# Altium PCB PCB3.PcbDoc (part 8 of 9) (continued)
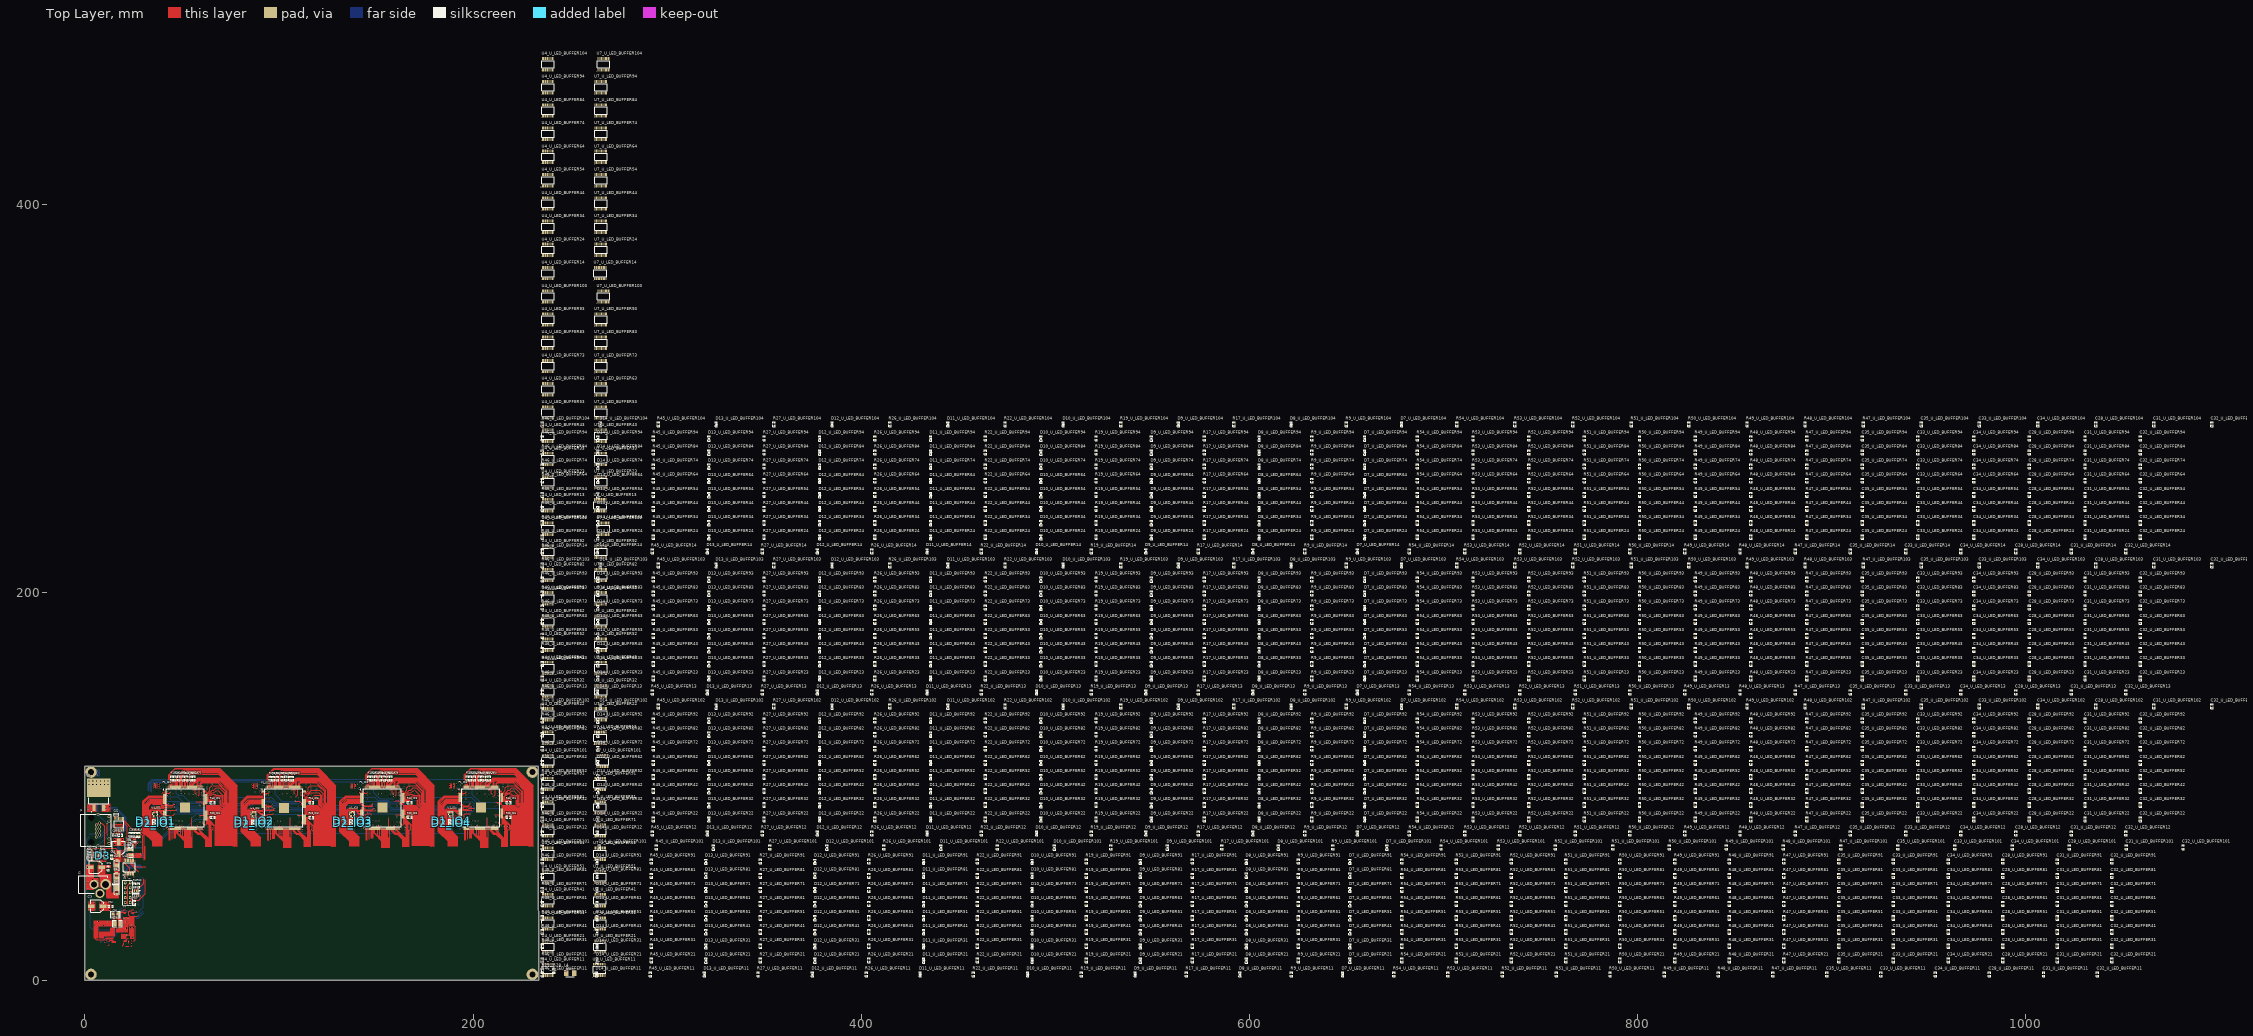
[diagram p0: Top Layer view]
## Nets (pads, with @x,y where several pads share a name; then routed paths per layer and width w, separated by ;. In a path a pad name is that pad's centre, name@x,y a point inside that pad or via, vN(x,y) a via of type N, cw(c..) or ccw(c..) an arc to the next point about the centre after c; other vN are vias at no path point) (continued)
NetU4_U_LED_BUFFER64_13: U4_U_LED_BUFFER64.13 U7_U_LED_BUFFER64.8
NetU4_U_LED_BUFFER64_14: U4_U_LED_BUFFER64.14 U7_U_LED_BUFFER64.7
NetU4_U_LED_BUFFER64_15: U4_U_LED_BUFFER64.15 U7_U_LED_BUFFER64.6
NetU4_U_LED_BUFFER64_16: U4_U_LED_BUFFER64.16 U7_U_LED_BUFFER64.5
NetU4_U_LED_BUFFER64_17: U4_U_LED_BUFFER64.17 U7_U_LED_BUFFER64.4
NetU4_U_LED_BUFFER64_18: U4_U_LED_BUFFER64.18 U7_U_LED_BUFFER64.3
NetU4_U_LED_BUFFER64_20: U4_U_LED_BUFFER64.20 U7_U_LED_BUFFER64.2
NetU4_U_LED_BUFFER71_12: U4_U_LED_BUFFER71.12 U7_U_LED_BUFFER71.9
NetU4_U_LED_BUFFER71_13: U4_U_LED_BUFFER71.13 U7_U_LED_BUFFER71.8
NetU4_U_LED_BUFFER71_14: U4_U_LED_BUFFER71.14 U7_U_LED_BUFFER71.7
NetU4_U_LED_BUFFER71_15: U4_U_LED_BUFFER71.15 U7_U_LED_BUFFER71.6
NetU4_U_LED_BUFFER71_16: U4_U_LED_BUFFER71.16 U7_U_LED_BUFFER71.5
NetU4_U_LED_BUFFER71_17: U4_U_LED_BUFFER71.17 U7_U_LED_BUFFER71.4
NetU4_U_LED_BUFFER71_18: U4_U_LED_BUFFER71.18 U7_U_LED_BUFFER71.3
NetU4_U_LED_BUFFER71_20: U4_U_LED_BUFFER71.20 U7_U_LED_BUFFER71.2
NetU4_U_LED_BUFFER72_12: U4_U_LED_BUFFER72.12 U7_U_LED_BUFFER72.9
NetU4_U_LED_BUFFER72_13: U4_U_LED_BUFFER72.13 U7_U_LED_BUFFER72.8
NetU4_U_LED_BUFFER72_14: U4_U_LED_BUFFER72.14 U7_U_LED_BUFFER72.7
NetU4_U_LED_BUFFER72_15: U4_U_LED_BUFFER72.15 U7_U_LED_BUFFER72.6
NetU4_U_LED_BUFFER72_16: U4_U_LED_BUFFER72.16 U7_U_LED_BUFFER72.5
NetU4_U_LED_BUFFER72_17: U4_U_LED_BUFFER72.17 U7_U_LED_BUFFER72.4
NetU4_U_LED_BUFFER72_18: U4_U_LED_BUFFER72.18 U7_U_LED_BUFFER72.3
NetU4_U_LED_BUFFER72_20: U4_U_LED_BUFFER72.20 U7_U_LED_BUFFER72.2
NetU4_U_LED_BUFFER73_12: U4_U_LED_BUFFER73.12 U7_U_LED_BUFFER73.9
NetU4_U_LED_BUFFER73_13: U4_U_LED_BUFFER73.13 U7_U_LED_BUFFER73.8
NetU4_U_LED_BUFFER73_14: U4_U_LED_BUFFER73.14 U7_U_LED_BUFFER73.7
NetU4_U_LED_BUFFER73_15: U4_U_LED_BUFFER73.15 U7_U_LED_BUFFER73.6
NetU4_U_LED_BUFFER73_16: U4_U_LED_BUFFER73.16 U7_U_LED_BUFFER73.5
NetU4_U_LED_BUFFER73_17: U4_U_LED_BUFFER73.17 U7_U_LED_BUFFER73.4
NetU4_U_LED_BUFFER73_18: U4_U_LED_BUFFER73.18 U7_U_LED_BUFFER73.3
NetU4_U_LED_BUFFER73_20: U4_U_LED_BUFFER73.20 U7_U_LED_BUFFER73.2
NetU4_U_LED_BUFFER74_12: U4_U_LED_BUFFER74.12 U7_U_LED_BUFFER74.9
NetU4_U_LED_BUFFER74_13: U4_U_LED_BUFFER74.13 U7_U_LED_BUFFER74.8
NetU4_U_LED_BUFFER74_14: U4_U_LED_BUFFER74.14 U7_U_LED_BUFFER74.7
NetU4_U_LED_BUFFER74_15: U4_U_LED_BUFFER74.15 U7_U_LED_BUFFER74.6
NetU4_U_LED_BUFFER74_16: U4_U_LED_BUFFER74.16 U7_U_LED_BUFFER74.5
NetU4_U_LED_BUFFER74_17: U4_U_LED_BUFFER74.17 U7_U_LED_BUFFER74.4
NetU4_U_LED_BUFFER74_18: U4_U_LED_BUFFER74.18 U7_U_LED_BUFFER74.3
NetU4_U_LED_BUFFER74_20: U4_U_LED_BUFFER74.20 U7_U_LED_BUFFER74.2
NetU4_U_LED_BUFFER81_12: U4_U_LED_BUFFER81.12 U7_U_LED_BUFFER81.9
NetU4_U_LED_BUFFER81_13: U4_U_LED_BUFFER81.13 U7_U_LED_BUFFER81.8
NetU4_U_LED_BUFFER81_14: U4_U_LED_BUFFER81.14 U7_U_LED_BUFFER81.7
NetU4_U_LED_BUFFER81_15: U4_U_LED_BUFFER81.15 U7_U_LED_BUFFER81.6
NetU4_U_LED_BUFFER81_16: U4_U_LED_BUFFER81.16 U7_U_LED_BUFFER81.5
NetU4_U_LED_BUFFER81_17: U4_U_LED_BUFFER81.17 U7_U_LED_BUFFER81.4
NetU4_U_LED_BUFFER81_18: U4_U_LED_BUFFER81.18 U7_U_LED_BUFFER81.3
NetU4_U_LED_BUFFER81_20: U4_U_LED_BUFFER81.20 U7_U_LED_BUFFER81.2
NetU4_U_LED_BUFFER82_12: U4_U_LED_BUFFER82.12 U7_U_LED_BUFFER82.9
NetU4_U_LED_BUFFER82_13: U4_U_LED_BUFFER82.13 U7_U_LED_BUFFER82.8
NetU4_U_LED_BUFFER82_14: U4_U_LED_BUFFER82.14 U7_U_LED_BUFFER82.7
NetU4_U_LED_BUFFER82_15: U4_U_LED_BUFFER82.15 U7_U_LED_BUFFER82.6
NetU4_U_LED_BUFFER82_16: U4_U_LED_BUFFER82.16 U7_U_LED_BUFFER82.5
NetU4_U_LED_BUFFER82_17: U4_U_LED_BUFFER82.17 U7_U_LED_BUFFER82.4
NetU4_U_LED_BUFFER82_18: U4_U_LED_BUFFER82.18 U7_U_LED_BUFFER82.3
NetU4_U_LED_BUFFER82_20: U4_U_LED_BUFFER82.20 U7_U_LED_BUFFER82.2
NetU4_U_LED_BUFFER83_12: U4_U_LED_BUFFER83.12 U7_U_LED_BUFFER83.9
NetU4_U_LED_BUFFER83_13: U4_U_LED_BUFFER83.13 U7_U_LED_BUFFER83.8
NetU4_U_LED_BUFFER83_14: U4_U_LED_BUFFER83.14 U7_U_LED_BUFFER83.7
NetU4_U_LED_BUFFER83_15: U4_U_LED_BUFFER83.15 U7_U_LED_BUFFER83.6
NetU4_U_LED_BUFFER83_16: U4_U_LED_BUFFER83.16 U7_U_LED_BUFFER83.5
NetU4_U_LED_BUFFER83_17: U4_U_LED_BUFFER83.17 U7_U_LED_BUFFER83.4
NetU4_U_LED_BUFFER83_18: U4_U_LED_BUFFER83.18 U7_U_LED_BUFFER83.3
NetU4_U_LED_BUFFER83_20: U4_U_LED_BUFFER83.20 U7_U_LED_BUFFER83.2
NetU4_U_LED_BUFFER84_12: U4_U_LED_BUFFER84.12 U7_U_LED_BUFFER84.9
NetU4_U_LED_BUFFER84_13: U4_U_LED_BUFFER84.13 U7_U_LED_BUFFER84.8
NetU4_U_LED_BUFFER84_14: U4_U_LED_BUFFER84.14 U7_U_LED_BUFFER84.7
NetU4_U_LED_BUFFER84_15: U4_U_LED_BUFFER84.15 U7_U_LED_BUFFER84.6
NetU4_U_LED_BUFFER84_16: U4_U_LED_BUFFER84.16 U7_U_LED_BUFFER84.5
NetU4_U_LED_BUFFER84_17: U4_U_LED_BUFFER84.17 U7_U_LED_BUFFER84.4
NetU4_U_LED_BUFFER84_18: U4_U_LED_BUFFER84.18 U7_U_LED_BUFFER84.3
NetU4_U_LED_BUFFER84_20: U4_U_LED_BUFFER84.20 U7_U_LED_BUFFER84.2
NetU4_U_LED_BUFFER91_12: U4_U_LED_BUFFER91.12 U7_U_LED_BUFFER91.9
NetU4_U_LED_BUFFER91_13: U4_U_LED_BUFFER91.13 U7_U_LED_BUFFER91.8
NetU4_U_LED_BUFFER91_14: U4_U_LED_BUFFER91.14 U7_U_LED_BUFFER91.7
NetU4_U_LED_BUFFER91_15: U4_U_LED_BUFFER91.15 U7_U_LED_BUFFER91.6
NetU4_U_LED_BUFFER91_16: U4_U_LED_BUFFER91.16 U7_U_LED_BUFFER91.5
NetU4_U_LED_BUFFER91_17: U4_U_LED_BUFFER91.17 U7_U_LED_BUFFER91.4
NetU4_U_LED_BUFFER91_18: U4_U_LED_BUFFER91.18 U7_U_LED_BUFFER91.3
NetU4_U_LED_BUFFER91_20: U4_U_LED_BUFFER91.20 U7_U_LED_BUFFER91.2
NetU4_U_LED_BUFFER92_12: U4_U_LED_BUFFER92.12 U7_U_LED_BUFFER92.9
NetU4_U_LED_BUFFER92_13: U4_U_LED_BUFFER92.13 U7_U_LED_BUFFER92.8
NetU4_U_LED_BUFFER92_14: U4_U_LED_BUFFER92.14 U7_U_LED_BUFFER92.7
NetU4_U_LED_BUFFER92_15: U4_U_LED_BUFFER92.15 U7_U_LED_BUFFER92.6
NetU4_U_LED_BUFFER92_16: U4_U_LED_BUFFER92.16 U7_U_LED_BUFFER92.5
NetU4_U_LED_BUFFER92_17: U4_U_LED_BUFFER92.17 U7_U_LED_BUFFER92.4
NetU4_U_LED_BUFFER92_18: U4_U_LED_BUFFER92.18 U7_U_LED_BUFFER92.3
NetU4_U_LED_BUFFER92_20: U4_U_LED_BUFFER92.20 U7_U_LED_BUFFER92.2
NetU4_U_LED_BUFFER93_12: U4_U_LED_BUFFER93.12 U7_U_LED_BUFFER93.9
NetU4_U_LED_BUFFER93_13: U4_U_LED_BUFFER93.13 U7_U_LED_BUFFER93.8
NetU4_U_LED_BUFFER93_14: U4_U_LED_BUFFER93.14 U7_U_LED_BUFFER93.7
NetU4_U_LED_BUFFER93_15: U4_U_LED_BUFFER93.15 U7_U_LED_BUFFER93.6
NetU4_U_LED_BUFFER93_16: U4_U_LED_BUFFER93.16 U7_U_LED_BUFFER93.5
NetU4_U_LED_BUFFER93_17: U4_U_LED_BUFFER93.17 U7_U_LED_BUFFER93.4
NetU4_U_LED_BUFFER93_18: U4_U_LED_BUFFER93.18 U7_U_LED_BUFFER93.3
NetU4_U_LED_BUFFER93_20: U4_U_LED_BUFFER93.20 U7_U_LED_BUFFER93.2
NetU4_U_LED_BUFFER94_12: U4_U_LED_BUFFER94.12 U7_U_LED_BUFFER94.9
NetU4_U_LED_BUFFER94_13: U4_U_LED_BUFFER94.13 U7_U_LED_BUFFER94.8
NetU4_U_LED_BUFFER94_14: U4_U_LED_BUFFER94.14 U7_U_LED_BUFFER94.7
NetU4_U_LED_BUFFER94_15: U4_U_LED_BUFFER94.15 U7_U_LED_BUFFER94.6
NetU4_U_LED_BUFFER94_16: U4_U_LED_BUFFER94.16 U7_U_LED_BUFFER94.5
NetU4_U_LED_BUFFER94_17: U4_U_LED_BUFFER94.17 U7_U_LED_BUFFER94.4
NetU4_U_LED_BUFFER94_18: U4_U_LED_BUFFER94.18 U7_U_LED_BUFFER94.3
NetU4_U_LED_BUFFER94_20: U4_U_LED_BUFFER94.20 U7_U_LED_BUFFER94.2
NetU4_U_LED_BUFFER101_12: U4_U_LED_BUFFER101.12 U7_U_LED_BUFFER101.9
NetU4_U_LED_BUFFER101_13: U4_U_LED_BUFFER101.13 U7_U_LED_BUFFER101.8
NetU4_U_LED_BUFFER101_14: U4_U_LED_BUFFER101.14 U7_U_LED_BUFFER101.7
NetU4_U_LED_BUFFER101_15: U4_U_LED_BUFFER101.15 U7_U_LED_BUFFER101.6
NetU4_U_LED_BUFFER101_16: U4_U_LED_BUFFER101.16 U7_U_LED_BUFFER101.5
NetU4_U_LED_BUFFER101_17: U4_U_LED_BUFFER101.17 U7_U_LED_BUFFER101.4
NetU4_U_LED_BUFFER101_18: U4_U_LED_BUFFER101.18 U7_U_LED_BUFFER101.3
NetU4_U_LED_BUFFER101_20: U4_U_LED_BUFFER101.20 U7_U_LED_BUFFER101.2
NetU4_U_LED_BUFFER102_12: U4_U_LED_BUFFER102.12 U7_U_LED_BUFFER102.9
NetU4_U_LED_BUFFER102_13: U4_U_LED_BUFFER102.13 U7_U_LED_BUFFER102.8
NetU4_U_LED_BUFFER102_14: U4_U_LED_BUFFER102.14 U7_U_LED_BUFFER102.7
NetU4_U_LED_BUFFER102_15: U4_U_LED_BUFFER102.15 U7_U_LED_BUFFER102.6
NetU4_U_LED_BUFFER102_16: U4_U_LED_BUFFER102.16 U7_U_LED_BUFFER102.5
NetU4_U_LED_BUFFER102_17: U4_U_LED_BUFFER102.17 U7_U_LED_BUFFER102.4
NetU4_U_LED_BUFFER102_18: U4_U_LED_BUFFER102.18 U7_U_LED_BUFFER102.3
NetU4_U_LED_BUFFER102_20: U4_U_LED_BUFFER102.20 U7_U_LED_BUFFER102.2
NetU4_U_LED_BUFFER103_12: U4_U_LED_BUFFER103.12 U7_U_LED_BUFFER103.9
NetU4_U_LED_BUFFER103_13: U4_U_LED_BUFFER103.13 U7_U_LED_BUFFER103.8
NetU4_U_LED_BUFFER103_14: U4_U_LED_BUFFER103.14 U7_U_LED_BUFFER103.7
NetU4_U_LED_BUFFER103_15: U4_U_LED_BUFFER103.15 U7_U_LED_BUFFER103.6
NetU4_U_LED_BUFFER103_16: U4_U_LED_BUFFER103.16 U7_U_LED_BUFFER103.5
NetU4_U_LED_BUFFER103_17: U4_U_LED_BUFFER103.17 U7_U_LED_BUFFER103.4
NetU4_U_LED_BUFFER103_18: U4_U_LED_BUFFER103.18 U7_U_LED_BUFFER103.3
NetU4_U_LED_BUFFER103_20: U4_U_LED_BUFFER103.20 U7_U_LED_BUFFER103.2
NetU4_U_LED_BUFFER104_12: U4_U_LED_BUFFER104.12 U7_U_LED_BUFFER104.9
NetU4_U_LED_BUFFER104_13: U4_U_LED_BUFFER104.13 U7_U_LED_BUFFER104.8
NetU4_U_LED_BUFFER104_14: U4_U_LED_BUFFER104.14 U7_U_LED_BUFFER104.7
NetU4_U_LED_BUFFER104_15: U4_U_LED_BUFFER104.15 U7_U_LED_BUFFER104.6
NetU4_U_LED_BUFFER104_16: U4_U_LED_BUFFER104.16 U7_U_LED_BUFFER104.5
NetU4_U_LED_BUFFER104_17: U4_U_LED_BUFFER104.17 U7_U_LED_BUFFER104.4
NetU4_U_LED_BUFFER104_18: U4_U_LED_BUFFER104.18 U7_U_LED_BUFFER104.3
NetU4_U_LED_BUFFER104_20: U4_U_LED_BUFFER104.20 U7_U_LED_BUFFER104.2
PWR_CNTRL: C78.2 C79.1 D4.2 J1.7 J1.8 R41.1 R42.2 U5.2 | length 52.7
  Top Layer w0.381: U5.2@5.638,65.231 5.638,68.025
  Top Layer w0.635: R41.1@1.824,65.567 R42.2@1.824,66.978 1.824,67.806 2.043,68.025 5.638,68.025 15.788,68.025 ; J1.7@5.808,80.072 6.829,81.092 J1.8@7.588,81.092 8.714,81.092 10.289,79.518 10.289,68.165 ; 10.289,68.106 15.706,68.106 15.788,68.025 ; C78.2@13.935,62.867 C78.2@13.999,62.931 ; C78.2@13.999,62.894 15.717,62.894 16.494,63.67 ; D4.2@16.494,61.859 16.494,63.67 ; 16.494,65.132 16.494,63.67 ; 15.788,68.025 16.953,66.859 16.953,64.13 16.494,63.67
PWR_LOCAL: C75.2 C76.1 D6.2 J2.1 R35.1 R36.2 U5.7 | length 19.4
  Top Layer w0.254: J2.1@10.693,47.173 J2.1@10.693,49.537 ; 13.644,44.416 D6.2@16.39,44.416
  Top Layer w0.381: R35.1@1.824,64.157 R36.2@1.824,62.746 1.888,62.682 1.888,61.953 2.154,61.687 4.75,61.687 5.6,62.537 ; U5.7@5.629,64.221 5.636,64.213 5.636,62.573 5.6,62.537 ; C76.1@7.266,58.757 8.831,57.192 ; C76.1@7.398,59.328 7.398,60.738 5.6,62.537
RS232_RX: J1.2 U2.8 | length 17
  Top Layer w0.254: v1(14.909,80.501) 18.87,80.501 19.786,79.585 19.786,78.302 19.809,78.28 19.809,77.641 U2.8@19.907,77.543
  Bottom Layer w0.254: J1.2@7.588,74.972 8.056,74.972 13.586,80.501 v1(14.909,80.501)
RS232_TX: J1.1 U2.7 | length 18.2
  Top Layer w0.254: v1(14.272,79.668) 19.092,79.668 19.257,79.504 U2.7@19.257,77.543
  Bottom Layer w0.254: J1.1@5.808,73.952 6.23,73.531 8.134,73.531 v1(14.272,79.668)
SCL: P1_IO1.97 R14_IO1.1 | length 39.9
  Top Layer w0.254: P1_IO1.97@62.42,92.269 64.726,92.269 v1(64.954,92.041) R14_IO1.1@65.183,91.812
  Bottom Layer w0.178: 33.641,91.069 33.641,92.535 33.941,92.835 36.613,92.835 39.006,90.441 44.967,90.441 46.157,91.63 47.538,91.63 50.226,88.942 62.189,88.942 64.895,91.648 64.895,91.981 v1(64.954,92.041)
SCL_IO2: P1_IO2.97 R14_IO2.1 | length 3
  Top Layer w0.254: P1_IO2.97@113.248,92.203 115.554,92.203 v1(115.782,91.975) R14_IO2.1@116.011,91.746
SCL_IO3: P1_IO3.97 R14_IO3.1 | length 3
  Top Layer w0.254: P1_IO3.97@163.969,92.291 166.275,92.291 v1(166.504,92.062) R14_IO3.1@166.732,91.834
SCL_IO4: P1_IO4.97 R14_IO4.1 | length 3
  Top Layer w0.254: P1_IO4.97@214.845,92.295 217.151,92.295 R14_IO4.1@217.608,91.837
  other v1: 217.38,92.066
SDA: P1_IO1.80 R20_IO1.1 | length 37.3
  Top Layer w0.254: P1_IO1.80@62.42,83.769 65.05,83.769 R20_IO1.1@65.163,83.882
  Bottom Layer w0.178: 36.137,70.191 43.054,77.108 50.832,77.108 54.896,81.172 56.857,83.133 63.692,83.133 64.797,84.238 v1(64.807,84.238)
SDA_IO2: P1_IO2.80 R20_IO2.1 | length 5.2
  Top Layer w0.254: R20_IO2.1@115.991,83.816 115.878,83.703 R20_IO2.1@115.61,83.703 ; R20_IO2.1@115.61,83.703 P1_IO2.80@113.248,83.703 R20_IO2.1@115.61,83.703
SDA_IO3: P1_IO3.80 R20_IO3.1 | length 5.2
  Top Layer w0.254: R20_IO3.1@166.712,83.904 166.599,83.791 R20_IO3.1@166.331,83.791 ; R20_IO3.1@166.331,83.791 P1_IO3.80@163.969,83.791 R20_IO3.1@166.331,83.791
SDA_IO4: P1_IO4.80 R20_IO4.1 | length 5.2
  Top Layer w0.254: R20_IO4.1@217.588,83.908 217.475,83.795 R20_IO4.1@217.207,83.795 ; R20_IO4.1@217.207,83.795 P1_IO4.80@214.845,83.795 R20_IO4.1@217.207,83.795
SHIELD: J1.MH1 J1.MH2 | length 20.3
  Top Layer w0.381: v1(11.462,75.076) v1(11.463,81.058)
  Bottom Layer w0.381: J1.MH2@6.698,69.392 11.462,74.155 v1(11.462,75.076) ; J1.MH1@6.698,85.652 6.728,85.652 11.322,81.058 v1(11.463,81.058)
TCK: C36.2 P1_IO1.18 P1_IO2.18 P1_IO3.18 P1_IO4.18 P3.1 R12.2 U8.1 | length 206.1
  Top Layer w0.178: P3.1@23.339,40.138 23.339,41.09 24.67,42.421 24.67,44.342 25.178,44.85 27.21,44.85 27.474,45.114 U8.1@27.474,46.153 27.474,47.518 27.649,47.692 v1(27.649,47.809) ; R12.2@27.632,48.266 28.594,48.266 30.435,50.107 30.435,52.195 ; 36.608,89.808 38.703,89.808 39.242,89.269 P1_IO1.18@40.944,89.269 42.064,89.269 42.349,89.554 v1(46.006,89.554) ; P1_IO2.18@91.772,89.203 93.01,89.203 93.409,89.602 96.25,89.602 v1(96.552,89.3) ; P1_IO3.18@142.493,89.291 143.732,89.291 144.13,89.689 148.186,89.689 148.559,90.062 v1(148.622,90.062) ; P1_IO4.18@193.369,89.295 194.608,89.295 194.83,89.516 199.356,89.516 199.647,89.808 v1(199.676,89.808)
  Bottom Layer w0.178: v1(46.006,89.554) 46.069,89.491 46.577,89.491 48.546,87.522 54.998,87.522 55.275,87.799 65.841,87.799 66.657,88.615 92.157,88.615 92.742,88.03 95.79,88.03 96.872,89.112 96.872,89.554 97.314,89.554 103.918,89.554 105.121,88.351 137.629,88.351 139.98,85.999 145.829,85.999 148.064,88.234 148.064,89.504 v1(148.622,90.062) 155.8,90.062 157.587,88.275 191.811,88.275 192.529,87.557 197.45,87.557 199.676,89.783 v1(199.676,89.808)
TDI: C39.2 P1_IO1.19 P3.9 R10.2 U8.4 | length 40.1
  Top Layer w0.178: P3.9@23.339,50.298 22.13,49.089 22.13,39.082 22.549,38.663 24.094,38.663 24.624,39.193 24.624,39.943 25.248,40.568 25.32,40.568 R10.2@25.612,40.86 ; U8.4@25.574,43.653 25.574,41.523 25.686,41.411 v1(25.686,41.294) ; v1@25.686,41.328 27.778,41.328 31.02,44.57 31.02,51.883 ; 34.135,89.288 38.513,89.288 39.019,88.782 40.932,88.782 P1_IO1.19@40.944,88.769
TDI_IO2: P1_IO1.20 P1_IO2.19 | length 64.8
  Top Layer w0.178: P1_IO1.20@40.944,88.269 41.71,88.269 42.257,87.722 46.968,87.722 v1(47.022,87.776) ; P1_IO2.19@91.772,88.703 91.795,88.68 92.564,88.68 93.148,88.096 97.085,88.096 v1@97.692,88.703
  Bottom Layer w0.178: v1(47.022,87.776) 47.784,87.014 55.474,87.014 55.761,87.302 85.368,87.302 85.553,87.486 94.874,87.486 95.059,87.302 96.332,87.302 v1(97.822,88.792)
TDI_IO3: P1_IO2.20 P1_IO3.19 | length 67.6
  Top Layer w0.178: P1_IO2.20@91.772,88.203 92.538,88.203 93.085,87.656 v1(97.899,87.656) ; P1_IO3.19@142.493,88.791 142.516,88.768 143.671,88.768 144.382,88.057 148.141,88.057 v1(149.13,89.046)
  Bottom Layer w0.178: v1(97.899,87.656) 97.981,87.574 137.353,87.574 139.381,85.546 146.135,85.546 149.13,88.541 v1(149.13,89.046)
TDI_IO4: P1_IO3.20 P1_IO4.19 | length 69.1
  Top Layer w0.178: P1_IO3.20@142.493,88.291 142.514,88.27 143.381,88.27 144.206,87.446 149.601,87.446 149.896,87.74 v1(149.921,87.74) ; P1_IO4.19@193.369,88.795 193.392,88.772 194.161,88.772 194.745,88.187 197.547,88.187 198.155,88.795 200.689,88.795 v1(200.692,88.792)
  Bottom Layer w0.178: v1(149.921,87.74) 150.038,87.74 150.2,87.578 190.222,87.578 191.897,85.903 197.28,85.903 198.284,86.907 199.876,86.907 200.692,87.723 v1(200.692,88.792)
TDO: C37.2 P1_IO4.20 P3.3 U8.6 | length 207.6
  Top Layer w0.178: U8.6@27.474,43.653 27.548,43.58 v1(28.48,43.58) ; P1_IO4.20@193.369,88.295 194.135,88.295 194.683,87.747 199.393,87.747 v1(199.676,88.03)
  Bottom Layer w0.178: P3.3@23.339,42.678 24.082,41.935 26.43,41.935 27.568,40.798 C37.2@27.637,40.798 27.706,40.798 27.998,41.09 27.998,41.159 28.48,41.641 v1(28.48,43.58) 29.055,44.155 29.055,53.035 ; 33.057,91.327 33.057,92.776 33.899,93.618 37.37,93.618 38.593,92.395 48.273,92.395 50.513,90.155 58.376,90.155 60.003,91.782 63.688,91.782 64.877,92.971 67.96,92.971 69.67,91.261 85.814,91.261 87.15,92.597 96.416,92.597 97.881,91.132 110.14,91.132 110.712,91.703 113.658,91.703 115.007,90.354 141.656,90.354 143.664,92.362 155.687,92.362 156.972,91.078 160.679,91.078 161.587,91.987 163.653,91.987 165.495,90.145 191.351,90.145 193.412,92.207 199.563,92.207 200.692,91.078 200.692,89.808 199.676,88.792 v1(199.676,88.03)
TMS: C38.2 P1_IO1.16 P1_IO2.16 P1_IO3.16 P1_IO4.16 P3.5 R11.2 U8.3 | length 202.6
  Top Layer w0.178: P3.5@23.339,45.218 24.274,46.153 U8.3@25.574,46.153 25.615,46.194 R11.2@25.615,48.231 ; 34.83,90.824 39.337,90.824 39.892,90.269 P1_IO1.16@40.944,90.269 45.197,90.269 45.752,90.824 46.567,90.824 v1(46.575,90.832) ; P1_IO2.16@91.772,90.203 93.121,90.203 93.265,90.059 96.549,90.059 v1(96.806,90.316) ; P1_IO3.16@142.493,90.291 143.842,90.291 143.986,90.146 147.436,90.146 v1(148.368,91.078) ; P1_IO4.16@193.369,90.295 194.718,90.295 194.863,90.15 197.644,90.15 198.541,91.047 v1(198.568,91.047)
  Bottom Layer w0.178: C38.2@25.615,48.231 25.536,48.152 25.155,48.152 25.155,48.156 24.67,48.642 24.67,50.933 25.699,51.962 26.702,51.962 ; v1(46.575,90.832) 46.575,90.763 48.47,88.868 48.986,88.352 63.743,88.352 65.569,90.178 86.179,90.178 88.073,92.072 95.812,92.072 96.806,91.078 v1(96.806,90.316) 104.934,90.316 106.326,88.924 139.854,88.924 141.01,87.768 146.448,87.768 147.426,88.746 147.426,90.231 148.273,91.078 v1(148.368,91.078) 155.949,91.078 158.089,88.938 193.18,88.938 194.088,88.03 197.288,88.03 198.568,89.31 v1(198.568,91.047)
  other v1: 25.597,47.85
V+: C41.2 U2.2 | length 1.4
  Top Layer w0.254: v1(15.988,78.894) 16.007,78.875 U2.2@16.007,77.543
V-: C44.2 U2.6 | length 1.4
  Top Layer w0.254: v1(18.587,78.886) 18.607,78.866 U2.6@18.607,77.543
VCC3P3: R10.1 R11.1 | length 2
  Top Layer w0.381: R10.1@25.612,39.336 25.629,39.319 25.629,38.434 v1(25.646,38.417) ; R11.1@25.615,49.755 25.621,49.761 25.621,50.799 v1(25.628,50.806)
VCC_3V3: C1_IO1.2 C1_IO2.2 C1_IO3.2 C1_IO4.2 C30.2 C31_U_LED_BUFFER11.2 C31_U_LED_BUFFER12.2 C31_U_LED_BUFFER13.2 C31_U_LED_BUFFER14.2 C31_U_LED_BUFFER21.2 C31_U_LED_BUFFER22.2 C31_U_LED_BUFFER23.2 C31_U_LED_BUFFER24.2 C31_U_LED_BUFFER31.2 C31_U_LED_BUFFER32.2 C31_U_LED_BUFFER33.2 C31_U_LED_BUFFER34.2 C31_U_LED_BUFFER41.2 C31_U_LED_BUFFER42.2 C31_U_LED_BUFFER43.2 C31_U_LED_BUFFER44.2 C31_U_LED_BUFFER51.2 C31_U_LED_BUFFER52.2 C31_U_LED_BUFFER53.2 C31_U_LED_BUFFER54.2 C31_U_LED_BUFFER61.2 C31_U_LED_BUFFER62.2 C31_U_LED_BUFFER63.2 C31_U_LED_BUFFER64.2 C31_U_LED_BUFFER71.2 C31_U_LED_BUFFER72.2 C31_U_LED_BUFFER73.2 C31_U_LED_BUFFER74.2 C31_U_LED_BUFFER81.2 C31_U_LED_BUFFER82.2 C31_U_LED_BUFFER83.2 C31_U_LED_BUFFER84.2 C31_U_LED_BUFFER91.2 C31_U_LED_BUFFER92.2 C31_U_LED_BUFFER93.2 C31_U_LED_BUFFER94.2 C31_U_LED_BUFFER101.2 C31_U_LED_BUFFER102.2 C31_U_LED_BUFFER103.2 C31_U_LED_BUFFER104.2 C33_U_LED_BUFFER11.2 C33_U_LED_BUFFER12.2 C33_U_LED_BUFFER13.2 C33_U_LED_BUFFER14.2 C33_U_LED_BUFFER21.2 C33_U_LED_BUFFER22.2 C33_U_LED_BUFFER23.2 C33_U_LED_BUFFER24.2 C33_U_LED_BUFFER31.2 C33_U_LED_BUFFER32.2 C33_U_LED_BUFFER33.2 C33_U_LED_BUFFER34.2 C33_U_LED_BUFFER41.2 C33_U_LED_BUFFER42.2 C33_U_LED_BUFFER43.2 C33_U_LED_BUFFER44.2 C33_U_LED_BUFFER51.2 C33_U_LED_BUFFER52.2 C33_U_LED_BUFFER53.2 C33_U_LED_BUFFER54.2 C33_U_LED_BUFFER61.2 C33_U_LED_BUFFER62.2 C33_U_LED_BUFFER63.2 C33_U_LED_BUFFER64.2 C33_U_LED_BUFFER71.2 C33_U_LED_BUFFER72.2 C33_U_LED_BUFFER73.2 C33_U_LED_BUFFER74.2 C33_U_LED_BUFFER81.2 C33_U_LED_BUFFER82.2 C33_U_LED_BUFFER83.2 C33_U_LED_BUFFER84.2 C33_U_LED_BUFFER91.2 C33_U_LED_BUFFER92.2 C33_U_LED_BUFFER93.2 C33_U_LED_BUFFER94.2 C33_U_LED_BUFFER101.2 C33_U_LED_BUFFER102.2 C33_U_LED_BUFFER103.2 C33_U_LED_BUFFER104.2 C42.2 P3.4 U1_IO1.1 U1_IO1.4 U1_IO2.1 U1_IO2.4 U1_IO3.1 U1_IO3.4 U1_IO4.1 U1_IO4.4 U2.16 U4_U_LED_BUFFER11.2 U4_U_LED_BUFFER11.10 U4_U_LED_BUFFER12.2 U4_U_LED_BUFFER12.10 U4_U_LED_BUFFER13.2 U4_U_LED_BUFFER13.10 U4_U_LED_BUFFER14.2 U4_U_LED_BUFFER14.10 U4_U_LED_BUFFER21.2 U4_U_LED_BUFFER21.10 U4_U_LED_BUFFER22.2 U4_U_LED_BUFFER22.10 U4_U_LED_BUFFER23.2 U4_U_LED_BUFFER23.10 U4_U_LED_BUFFER24.2 U4_U_LED_BUFFER24.10 U4_U_LED_BUFFER31.2 U4_U_LED_BUFFER31.10 U4_U_LED_BUFFER32.2 U4_U_LED_BUFFER32.10 U4_U_LED_BUFFER33.2 U4_U_LED_BUFFER33.10 U4_U_LED_BUFFER34.2 U4_U_LED_BUFFER34.10 U4_U_LED_BUFFER41.2 U4_U_LED_BUFFER41.10 U4_U_LED_BUFFER42.2 U4_U_LED_BUFFER42.10 U4_U_LED_BUFFER43.2 U4_U_LED_BUFFER43.10 U4_U_LED_BUFFER44.2 U4_U_LED_BUFFER44.10 U4_U_LED_BUFFER51.2 U4_U_LED_BUFFER51.10 U4_U_LED_BUFFER52.2 U4_U_LED_BUFFER52.10 U4_U_LED_BUFFER53.2 U4_U_LED_BUFFER53.10 U4_U_LED_BUFFER54.2 U4_U_LED_BUFFER54.10 U4_U_LED_BUFFER61.2 U4_U_LED_BUFFER61.10 U4_U_LED_BUFFER62.2 U4_U_LED_BUFFER62.10 U4_U_LED_BUFFER63.2 U4_U_LED_BUFFER63.10 U4_U_LED_BUFFER64.2 U4_U_LED_BUFFER64.10 U4_U_LED_BUFFER71.2 U4_U_LED_BUFFER71.10 U4_U_LED_BUFFER72.2 U4_U_LED_BUFFER72.10 U4_U_LED_BUFFER73.2 U4_U_LED_BUFFER73.10 U4_U_LED_BUFFER74.2 U4_U_LED_BUFFER74.10 U4_U_LED_BUFFER81.2 U4_U_LED_BUFFER81.10 U4_U_LED_BUFFER82.2 U4_U_LED_BUFFER82.10 U4_U_LED_BUFFER83.2 U4_U_LED_BUFFER83.10 U4_U_LED_BUFFER84.2 U4_U_LED_BUFFER84.10 U4_U_LED_BUFFER91.2 U4_U_LED_BUFFER91.10 U4_U_LED_BUFFER92.2 U4_U_LED_BUFFER92.10 U4_U_LED_BUFFER93.2 U4_U_LED_BUFFER93.10 U4_U_LED_BUFFER94.2 U4_U_LED_BUFFER94.10 U4_U_LED_BUFFER101.2 U4_U_LED_BUFFER101.10 U4_U_LED_BUFFER102.2 U4_U_LED_BUFFER102.10 U4_U_LED_BUFFER103.2 U4_U_LED_BUFFER103.10 U4_U_LED_BUFFER104.2 U4_U_LED_BUFFER104.10 U6.4 U8.5 U14.7 U14.16 | length 18.9
  Top Layer w0.381: U2.16@15.357,83.419 15.357,85.452 C42.2@15.392,85.487 ; U14.16@20.581,61.919 20.581,63.467 v1@20.583,63.468 ; U14.7@24.481,54.943 24.481,56.352 24.792,56.663 25.456,56.663 v1(25.5,56.706) ; v1(26.503,42.507) 26.514,42.517 26.514,43.643 U8.5@26.524,43.653 ; U1_IO1.1@35.432,86.736 U1_IO1.4@37.082,86.736 ; U1_IO2.1@86.056,86.653 U1_IO2.4@87.706,86.653 ; U1_IO2.1@86.26,86.67 U1_IO2.4@87.91,86.67 ; U1_IO3.1@136.884,86.587 U1_IO3.4@138.534,86.587 ; U1_IO3.1@136.982,86.757 U1_IO3.4@138.632,86.757 ; U1_IO4.1@187.605,86.675 U1_IO4.4@189.255,86.675 ; U1_IO4.1@187.858,86.761 U1_IO4.4@189.508,86.761
  other v1: 20.583,63.456 15.351,84.864 85.79,86.915 187.134,86.92 34.962,86.981 136.511,87.003 2.064,100.984 4.045,100.984 6.026,100.984 8.008,100.984 9.989,100.984 11.97,100.984 2.064,102.762 4.045,102.762 6.026,102.762 8.008,102.762 9.989,102.762 11.97,102.762